# Altium PCB roach2.PcbDoc (part 29 of 39)
Units mil, origin at the board's own origin, x right, y up, seen from the top; angles counter-clockwise.
Board outline 12007.87 x 9606.3 mil, 16 copper layers (L1_TOP, L2_G, L3_S, L4_G, L5_S, L6_P, L7_G, L8_R, L9_R, L10_P, L11_P, L12_S, L13_P, L14_S, L15_G, L16_BOT), stack 81.651 mil thick; 1608 components, 1934 nets, 9335 pads, 6759 vias.
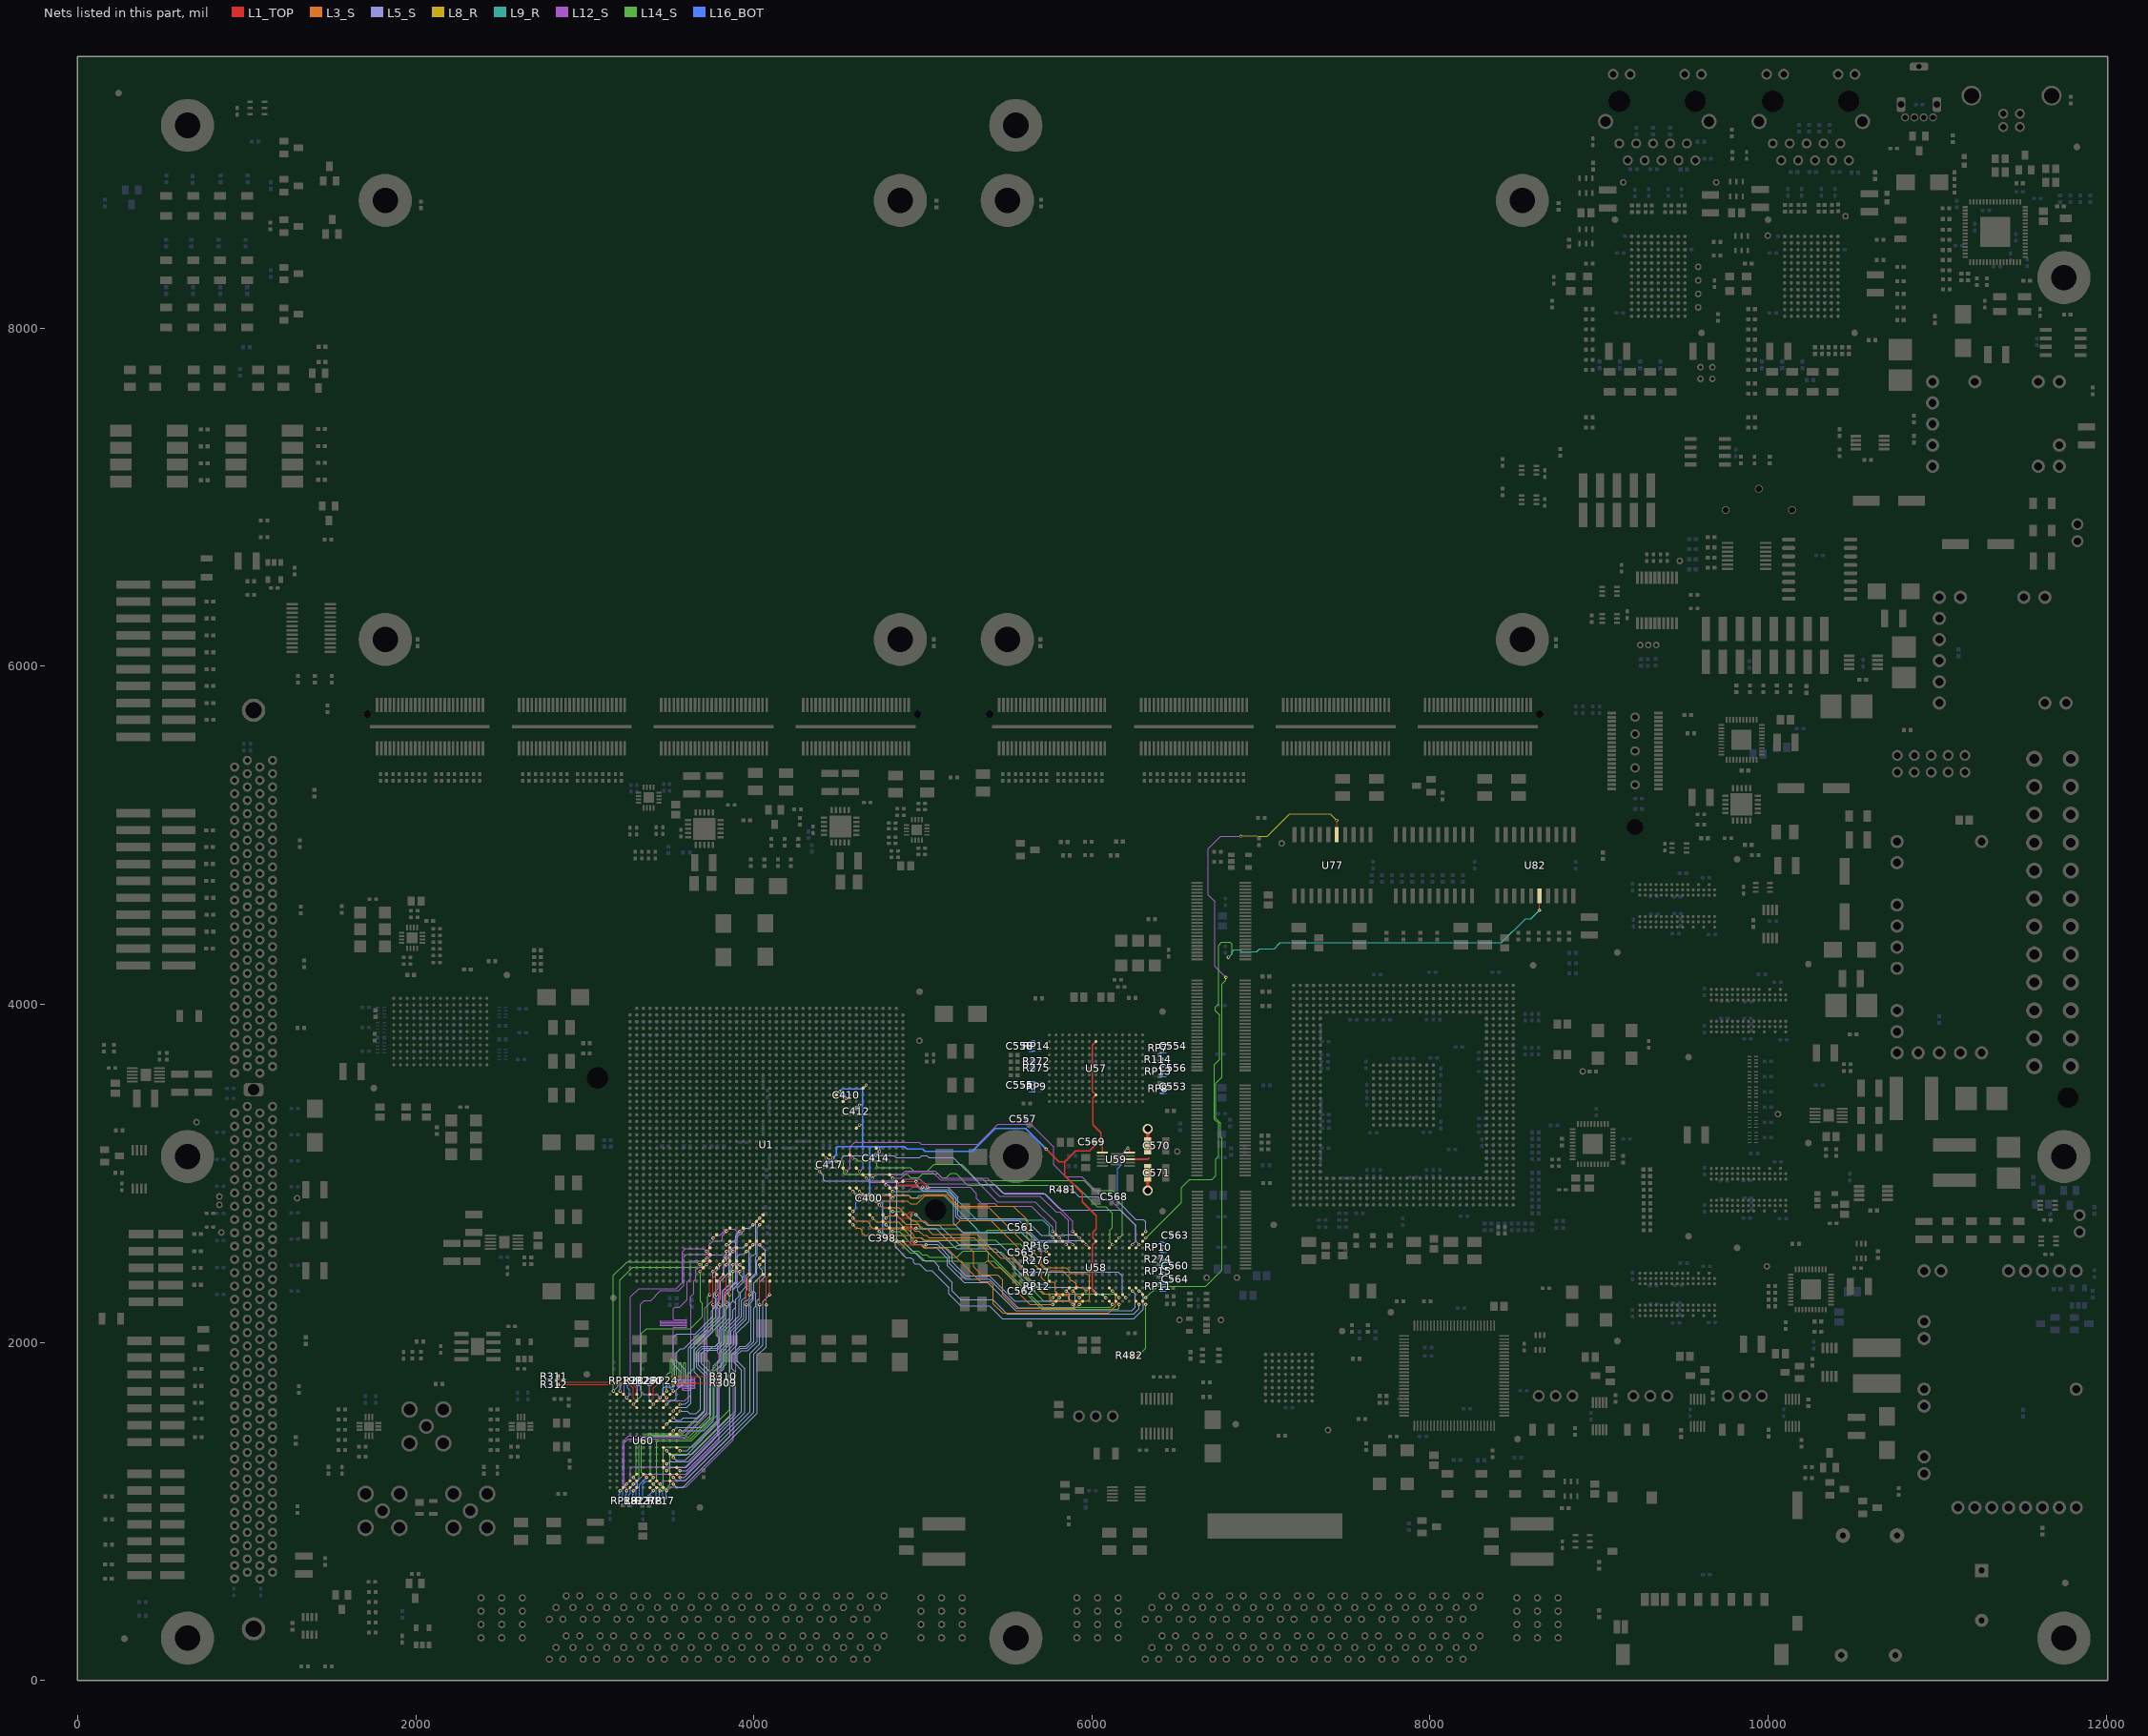
[diagram p43: the nets of this part, all layers, seen from the top]

## Via types
v1: diameter 19.4, hole 10, L1_TOP to L16_BOT, tented both sides, 3354 vias
v2: diameter 19.4, hole 10, L1_TOP to L16_BOT, 1884 vias
v3: diameter 19.4, hole 10, L1_TOP to L16_BOT, tented top, 410 vias
v4: diameter 18.6, hole 10, L1_TOP to L16_BOT, tented both sides, 311 vias
v5: diameter 59.06, hole 39.37, L1_TOP to L16_BOT, 217 vias
v6: diameter 19, hole 10, L1_TOP to L16_BOT, 198 vias
v7: diameter 19.4, hole 10.04, L1_TOP to L16_BOT, 125 vias
v8: diameter 19.4, hole 10, L1_TOP to L16_BOT, tented bottom, 80 vias
v9: diameter 25.98, hole 12.99, L1_TOP to L16_BOT, tented top, 59 vias
v10: diameter 20, hole 10, L1_TOP to L16_BOT, 52 vias
v11: diameter 59.06, hole 39.37, L1_TOP to L16_BOT, tented top, 44 vias
v12: diameter 20, hole 10, L1_TOP to L16_BOT, tented top, 16 vias
v13: diameter 19, hole 10, L1_TOP to L16_BOT, tented top, 5 vias
v14: diameter 50, hole 28, L1_TOP to L16_BOT, 4 vias

## Nets (pads, with @x,y where several pads share a name; then routed paths per layer and width w, separated by ;. In a path a pad name is that pad's centre, name@x,y a point inside that pad or via, vN(x,y) a via of type N, cw(c..) or ccw(c..) an arc to the next point about the centre after c; other vN are vias at no path point) (continued)
QDR1.Q6: U1.F26 U58.E11 | length 1438.1
  L1_TOP w5: U1.F26@4684.14,2990.59 v1(4703.83,2970.9) ; v1(5885.83,2657.48) U58.E11@5905.51,2637.8
  L12_S w3.8: v1(4703.83,2970.9) 4727.6,2994.67 4876.91,2994.67 4896.59,3014.36 5071.01,3014.36 5112.92,2972.45 5325.49,2972.45 5381.89,2972.44 5468.5,2885.83 5712.6,2885.83 5803.15,2795.28 5807.09,2795.28 5885.83,2716.54 v1(5885.83,2657.48)
QDR1.Q7: U1.G26 U58.C10 | length 1402
  L1_TOP w5: U1.G26@4644.77,2990.59 v1(4664.46,2970.9) ; v1(5807.09,2618.11) U58.C10@5826.77,2598.43
  L12_S w3.8: v1(4664.46,2970.9) 4687.86,2947.5 4870.07,2947.5 4889.38,2966.82 4981.66,2966.82 5011.48,2937.01 5334.65,2937.01 5440.94,2830.71 5665.35,2830.71 5787.4,2708.66 5787.4,2637.8 v1(5807.09,2618.11)
QDR1.Q8: U1.D27 U58.B11 | length 1203.6
  L1_TOP w5: U1.D27@4762.88,2951.22 v1(4782.57,2931.53) ; v1(5767.72,2657.48) U58.B11@5787.4,2637.8
  L12_S w3.8: v1(4782.57,2931.53) 4795.98,2931.53 4811.58,2915.93 4828.4,2915.93 4839.92,2927.45 4962.53,2927.45 4985.86,2904.12 5033.12,2904.12 5046.32,2917.32 5279.53,2917.32 5315.84,2881.01 ; 5317.56,2879.67 5317.56,2850.33 5345.06,2822.83 5425.2,2822.83 5440.94,2807.09 5641.73,2807.09 5767.72,2681.1 v1(5767.72,2657.48)
QDR1.Q9: U1.K25 U58.P9 | length 2399
  L1_TOP w5: U1.K25@4526.66,3029.96 v1(4546.35,3010.27) ; U58.P9@6259.84,2559.05 v1(6279.53,2578.74)
  L12_S w3.8: v1(4546.35,3010.27) 4570.12,3034.05 4570.12,3158.62 4593.99,3182.49 4979.99,3182.49 4990.64,3171.84 5325.62,3171.84 5443.78,3290 5638,3290 5774,3154 5774,3050 5843.69,2980.31 5940.94,2980.31 6063.93,2857.33 6063.93,2856.53 6077.94,2842.52 6110.24,2842.52 6259.84,2692.91 6259.84,2598.43 6267.71,2590.55 ; 6268.5,2589.77 6267.71,2590.55 ; v1(6279.53,2578.74) 6267.71,2590.55
QDR1.Q10: U1.L24 U58.N9 | length 2148.9
  L1_TOP w5: U1.L24@4487.29,3069.33 v1(4506.98,3049.64) ; U58.N9@6220.47,2559.05 v1(6240.16,2578.74)
  L5_S w3.8: v1(4506.98,3049.64) 4506.98,3066.95 4522.58,3082.55 4522.58,3094.58 4532.98,3104.98 4819.49,3104.98 4819.86,3104.61 4828.4,3104.61 4839.91,3093.1 4981.16,3093.1 4992.68,3104.62 5025.25,3104.62 5035.38,3094.49 5179.54,3094.49 5339.77,2934.26 5424.01,2934.26 5480.31,2877.95 5724.41,2877.95 5818.9,2783.46 6165.35,2783.46 6259.84,2688.98 6259.84,2598.43 6251.97,2590.55 v1(6240.16,2578.74)
QDR1.Q11: U1.J23 U58.L10 | length 2027
  L1_TOP w5: U1.J23@4566.03,3108.7 v1(4585.72,3089.01) ; U58.L10@6141.73,2598.43 v1(6161.42,2618.11)
  L14_S w3.8: v1(4585.72,3089.01) 4603.03,3089.01 4618.63,3073.41 4717.07,3073.41 4727.6,3062.89 4727.6,3043.18 4736.74,3034.04 4925.94,3034.04 4945.62,3014.36 5026.36,3014.36 5064.99,3052.99 5228.99,3052.99 5309.54,2972.45 5345.66,2972.45 5361.1,2957 5952.45,2957 6011.81,2897.64 6122.05,2897.64 6181.1,2838.58 6181.1,2637.8 v1(6161.42,2618.11)
QDR1.Q12: U1.N23 U58.K9 | length 2157.5
  L1_TOP w5: U1.N23@4408.55,3108.7 v1(4428.24,3089.01) ; U58.K9@6102.36,2559.05 v1(6122.05,2578.74)
  L14_S w3.8: v1(4428.24,3089.01) 4445.54,3089.01 4461.14,3073.41 4520.57,3073.41 4530.75,3063.24 4530.75,3003.81 4539.88,2994.67 4908.81,2994.67 4928.49,2974.99 4975.49,2974.99 4999.26,2998.76 5086.15,2998.76 5086.38,2998.99 5111.31,2974.06 5140.66,2974.06 5165.59,2998.99 5194.99,2998.99 5263.98,2930 5904.65,2930 6031.5,2803.15 6082.68,2803.15 6122.05,2763.78 6122.05,2679.54 6106.45,2663.94 6106.45,2594.34 v1(6122.05,2578.74)
QDR1.Q13: U1.B28 U58.G9 | length 1378.2
  L1_TOP w5: U1.B28@4841.62,2911.85 4861.31,2892.16 4912.49,2892.16 4940.05,2919.72 v2(4999.1,2919.72) ; v1(5964.57,2578.74) U58.G9@5984.25,2559.05
  L5_S w3.8: v2@5000,2921.26 5000.32,2920.94 5017.17,2904.09 5147.09,2904.09 5150.75,2900.43 5196.85,2854.33 5196.85,2744.09 5220.47,2720.47 5566.93,2720.47 5684.89,2602.51 5944.73,2602.51 5964.57,2582.68 v1(5964.57,2578.74)
QDR1.Q14: U1.B27 U58.F10 | length 1324.8
  L1_TOP w5: U1.B27@4841.62,2951.22 4861.31,2931.53 4962.96,2931.53 4975.24,2943.82 5002.57,2943.82 v2(5026.66,2919.72) ; v1(5925.2,2618.11) U58.F10@5944.88,2598.43
  L5_S w3.8: v2@5027.56,2921.26 5027.88,2920.94 5030.83,2917.99 5148.94,2917.99 5208.66,2858.27 5208.66,2751.97 5228.35,2732.28 5602.36,2732.28 5700.71,2633.93 5837.88,2633.93 5841.74,2637.8 5905.51,2637.8 v1(5925.2,2618.11)
QDR1.Q15: U1.A27 U58.E9 | length 1283.4
  L1_TOP w5: U1.A27@4880.99,2951.22 4881.89,2951.22 v2(4959.73,2951.22) ; v1(5885.83,2578.74) U58.E9@5905.51,2559.05
  L5_S w3.8: v2(4959.73,2951.22) 4959.73,2937.03 5000.47,2896.29 5135.2,2896.29 5181.1,2850.39 5181.1,2703.94 5235.47,2649.57 5452.72,2649.57 5622.08,2649.57 5676.94,2594.71 5873.79,2594.71 5885.83,2582.68 v1(5885.83,2578.74)
QDR1.Q16: U1.C26 U58.D9 | length 1380.9
  L1_TOP w5: U1.C26@4802.25,2990.59 v1(4821.94,2970.9) ; v1(5846.46,2578.74) U58.D9@5866.14,2559.05
  L12_S w3.8: v1@4826.55,2976.16 4822.84,2972.44 4872.94,2972.44 4906.69,3006.19 5058.79,3006.19 5104.35,2960.63 5358.27,2960.63 5452.76,2866.14 5692.91,2866.14 5787.4,2771.65 5811.02,2771.65 5862.2,2720.47 5862.2,2594.49 v1(5846.46,2578.74)
QDR1.Q17: U1.C28 U58.B10 | length 1142.4
  L1_TOP w5: U1.C28@4802.25,2911.85 v1(4821.94,2892.16) ; v1(5767.72,2618.11) U58.B10@5787.4,2598.43
  L9_R w3.8: v1@4822.84,2893.7 5149.61,2893.7 5318.9,2724.41 5708.66,2724.41 5748.03,2685.04 5748.03,2645.67 5755.91,2637.8 5755.91,2629.92 v1(5767.72,2618.11)
QDR1.Q18: U1.H28 U58.B2 | length 2127.8
  L1_TOP w5: U1.H28@4605.4,2911.85 v1(4625.09,2892.16) ; v1(5767.72,2263.78) U58.B2@5787.4,2283.46
  L3_S w3.8: v1@4625.99,2893.7 4649.76,2869.93 4914.05,2869.93 4928.99,2854.99 4982.99,2854.99 5005,2877 5144,2877 5214.01,2806.99 5534.99,2806.99 5614.99,2726.99 5614.99,2621.23 5700.79,2535.43 5700.79,2464.57 5724.41,2440.94 5846.46,2440.94 5877.95,2409.45 5964.57,2409.45 5984.25,2389.76 5984.25,2255.91 5972.44,2244.09 5877.95,2244.09 5862.2,2259.84 5862.2,2271.65 5854.33,2279.53 5783.47,2279.53 v1(5767.72,2263.78)
QDR1.Q19: U1.A36 U58.D3 | length 1247.1
  L1_TOP w5: U1.A36@4880.99,2596.89 4881.89,2596.89 v2(4959.73,2596.89) ; v1(5846.46,2303.15) U58.D3@5866.14,2322.83
  L5_S w3.8: v2(4959.73,2596.89) 5092.09,2596.89 5173.23,2515.75 5173.23,2476.38 5255.91,2393.7 5393.7,2393.7 5543.31,2244.09 5858.27,2244.09 5866.14,2251.97 5866.14,2287.4 5850.4,2303.15 v1(5846.46,2303.15)
QDR1.Q20: U1.B36 U58.E3 | length 1376.9
  L1_TOP w5: U1.B36@4841.62,2596.89 4861.31,2577.2 v2(5018.79,2577.2) ; v1(5885.83,2303.15) U58.E3@5905.51,2322.83
  L5_S w3.8: v2@5020,2578.42 5019.68,2578.74 5086.62,2578.74 5106.3,2559.06 5157.48,2507.87 5157.48,2468.5 5251.97,2374.02 5385.81,2374.02 ; 5389.76,2374.02 5385.81,2374.02 ; v1(5885.83,2303.15) 5889.77,2303.15 5901.57,2291.34 5901.57,2218.1 5888.2,2204.72 5562.99,2204.72 5393.7,2374.02 5385.81,2374.02
QDR1.Q21: U1.E30 U58.F2 | length 1536.6
  L1_TOP w5: U1.E30@4723.51,2833.11 v1(4743.2,2813.42) ; v1(5925.2,2263.78) U58.F2@5944.88,2283.46
  L3_S w3.8: v1(4743.2,2813.42) 4758.8,2797.82 4858.18,2797.82 4922,2734 4937.29,2718.71 5012.73,2718.71 5035.44,2696 5195,2696 5221,2722 5400.98,2722 5700.79,2422.2 5700.79,2382.99 5725.66,2358.12 5774.18,2358.12 5783.32,2348.98 5783.32,2303.3 5799.07,2287.55 5901.43,2287.55 v1(5925.2,2263.78)
QDR1.Q22: U1.G29 U58.G3 | length 1649.4
  L1_TOP w5: U1.G29@4644.77,2872.48 v1(4664.46,2852.79) ; v1(5964.57,2303.15) U58.G3@5984.25,2322.83
  L3_S w3.8: v1(4664.46,2852.79) 4680.06,2837.19 4908.79,2837.19 4927.13,2818.86 4964.3,2818.86 5012.44,2867 5136,2867 5206.01,2796.99 5389.99,2796.99 5688.98,2498.01 5688.98,2464.57 5728.35,2425.2 5825.21,2425.2 5870.23,2380.18 5870.23,2375.43 5879.36,2366.29 5884.12,2366.29 5905.51,2344.89 5905.51,2338.58 5921.26,2322.83 5944.88,2322.83 v1(5964.57,2303.15)
QDR1.Q23: U1.J33 U58.K3 | length 2023.3
  L1_TOP w5: U1.J33@4566.03,2715 v1(4585.72,2695.31) ; U58.K3@6102.36,2322.83 v1(6122.05,2303.15)
  L3_S w3.8: v1(4585.72,2695.31) 4604.04,2676.99 4626.1,2676.99 4640.69,2662.41 4640.69,2646.62 4654.77,2632.54 4919.32,2632.54 4944.13,2607.74 4944.13,2590.43 4953.27,2581.29 4983.5,2581.29 5003.19,2561.6 5140.38,2561.6 5340.99,2360.99 5392.99,2360.99 5416.99,2336.99 5416.99,2228.99 5472.76,2173.23 6098.43,2173.23 6141.73,2216.54 6141.73,2283.46 v1(6122.05,2303.15)
QDR1.Q24: U1.D33 U58.L2 | length 1701.2
  L1_TOP w5: U1.D33@4762.88,2715 v1(4782.57,2695.31) ; U58.L2@6141.73,2283.46 v1(6161.42,2263.78)
  L14_S w3.8: v1(4782.57,2695.31) 4798.17,2679.71 4877.27,2679.71 4936.32,2620.66 4966.19,2620.66 4966.53,2620.99 4986.99,2620.99 5001.68,2606.3 5429.13,2606.3 5452.76,2582.68 5574.8,2582.68 5590.55,2566.93 5590.55,2417.32 5720.47,2287.4 6137.8,2287.4 6149.61,2275.59 v1(6161.42,2263.78)
QDR1.Q25: U1.B32 U58.N3 | length 1924.7
  L1_TOP w5: U1.B32@4841.46,2754.53 4841.62,2754.37 4861.14,2734.85 4924.31,2734.85 4932.17,2742.71 v2(4932.17,2754.37) ; U58.N3@6220.47,2322.83 v1(6240.16,2303.15)
  L5_S w3.8: v2(4932.17,2754.37) 4932.17,2602.39 4953.27,2581.29 4990.19,2581.29 5009.88,2561.6 5080.13,2561.6 5098.43,2543.31 5145.67,2496.06 5145.67,2452.76 5244.09,2354.33 5381.89,2354.33 5547.24,2188.98 6236.22,2188.98 6255.91,2208.66 6255.91,2287.4 v1(6240.16,2303.15) ; v2@4933.07,2754.37 v2@4933.07,2755.91
QDR1.Q26: U1.J28 U58.P3 | length 2419.9
  L1_TOP w5: U1.J28@4566.03,2911.85 v1(4585.72,2892.16) ; U58.P3@6259.84,2322.83 v1(6279.53,2303.15)
  L5_S w3.8: v1(4585.72,2892.16) 4601.32,2876.56 4785.99,2876.56 4787.06,2875.49 4797.49,2875.49 4806.34,2866.65 4806.34,2610.11 4815.48,2600.97 4825.51,2600.97 4837.54,2588.95 4837.54,2565.22 4900.21,2502.55 4928.94,2502.55 4944.13,2487.35 4944.13,2472.32 4953.27,2463.18 4979.31,2463.18 5017.29,2425.2 5051.18,2425.2 5153.62,2322.76 5153.62,2287.33 5224.41,2216.54 5393.7,2216.54 5469.19,2141.05 6247.34,2141.05 6303.15,2196.85 6303.15,2283.46 6283.47,2303.15 v1(6279.53,2303.15) ; v1@4586.62,2893.7 v1@4586.94,2893.38
QDR1.Q27: U1.F32 U58.B1 | length 1388.2
  L1_TOP w5: U1.F32@4684.14,2754.37 v1(4703.83,2734.68) ; v1(5767.72,2224.41) U58.B1@5787.4,2244.09
  L3_S w3.8: v1(4703.83,2734.68) 4727.23,2711.28 4855.49,2711.28 4883.35,2683.43 4929.87,2683.43 4953.27,2660.03 4976.45,2660.03 5003.94,2632.54 5022.02,2632.54 5034.36,2620.2 5301.78,2620.2 5388.99,2532.99 5388.99,2480.99 5426.99,2442.99 5460.99,2442.99 5554.99,2348.99 5554.99,2303.28 5633.86,2224.41 v1(5767.72,2224.41)
QDR1.Q28: U1.C34 U58.C2 | length 1250.3
  L1_TOP w5: U1.C34@4802.25,2675.63 v1(4821.94,2655.94) ; v1(5807.09,2263.78) U58.C2@5826.77,2283.46
  L14_S w3.8: v1(4821.94,2655.94) 4860.04,2655.94 4934.69,2581.29 4992.64,2581.29 5012.32,2561.6 5065.54,2561.6 5066.93,2562.99 5192.91,2562.99 5204.72,2574.8 5381.89,2574.8 5421.26,2535.43 5464.55,2535.43 5543.31,2456.68 5543.31,2417.32 5712.6,2248.03 5791.34,2248.03 5795.28,2251.97 v1(5807.09,2263.78)
QDR1.Q29: U1.D32 U58.E1 | length 1413.4
  L1_TOP w5: U1.D32@4762.88,2754.37 v1(4782.57,2734.68) ; v1(5885.83,2224.41) U58.E1@5905.51,2244.09
  L3_S w3.8: v1(4782.57,2734.68) 4798.17,2750.28 4848.2,2750.28 4899.08,2699.4 4973.83,2699.4 4998.04,2675.19 5021.6,2675.19 5058.79,2638 5319.98,2638 5460.99,2496.99 5526.99,2496.99 5610.99,2412.99 5610.99,2385.07 5708.66,2287.4 5744.09,2287.4 5751.97,2279.53 5751.97,2255.91 5759.84,2248.03 5862.2,2248.03 v1(5885.83,2224.41)
QDR1.Q30: U1.J32 U58.F1 | length 1737.8
  L1_TOP w5: U1.J32@4566.03,2754.37 v1(4585.72,2734.68) ; v1(5925.2,2224.41) U58.F1@5944.88,2244.09
  L3_S w3.8: v1(4585.72,2734.68) 4601.41,2718.99 4669.12,2718.99 4688.23,2699.88 4688.23,2688.85 4705.17,2671.91 4862.99,2671.91 4867.08,2667.83 4913.82,2667.83 4944.13,2637.52 4944.13,2629.8 4953.27,2620.66 4993.76,2620.66 5012.28,2602.14 5229.84,2602.14 5300.99,2530.99 5300.99,2446.99 5348.99,2398.99 5440.99,2398.99 5470.99,2368.99 5470.99,2280.99 5551.12,2200.86 5901.65,2200.86 v1(5925.2,2224.41)
QDR1.Q31: U1.A34 U58.J2 | length 1399
  L1_TOP w5: U1.A34@4881.89,2675.63 v2(4959.73,2675.63) ; U58.J2@6062.99,2283.46 v1(6082.68,2263.78)
  L5_S w3.8: v2@4960.63,2677.17 4960.95,2676.85 4963.6,2674.19 5077.78,2674.19 5196.85,2555.12 5429.13,2555.12 5657.55,2326.7 5940.24,2326.7 5944.1,2322.83 5996.06,2322.83 6035.43,2283.46 6062.99,2283.46 v1(6082.68,2263.78)
QDR1.Q32: U1.C35 U58.K1 | length 1563.8
  L1_TOP w5: U1.C35@4802.25,2636.26 v1(4821.94,2616.57) ; U58.K1@6102.36,2244.09 v1(6122.05,2224.41)
  L14_S w3.8: v1(4821.94,2616.57) 4839.25,2616.57 4854.85,2600.97 4876.51,2600.97 4935.56,2541.92 4972.56,2541.92 4995.49,2518.99 5023.53,2518.99 5026.62,2515.91 5038.59,2503.94 5201.83,2503.94 5238.32,2540.43 5377.56,2540.43 5709.32,2208.66 6110.24,2208.66 6122.05,2220.47 v1(6122.05,2224.41)
QDR1.Q33: U1.E34 U58.L1 | length 1701
  L1_TOP w5: U1.E34@4723.51,2675.63 v1(4743.2,2655.94) ; U58.L1@6141.73,2244.09 v1(6161.42,2224.41)
  L14_S w3.8: v1@4744.1,2657.48 4744.42,2657.16 4769.4,2632.17 4789.03,2632.17 4798.17,2623.04 4798.17,2613.82 4819.18,2592.8 4828.4,2592.8 4829.21,2591.99 4863.99,2591.99 4925.99,2529.99 4962.99,2529.99 5012.67,2480.31 5227.58,2480.31 5238.32,2469.57 5367.67,2469.57 5378.41,2480.31 5419.67,2480.31 5703.13,2196.85 6153.54,2196.85 6161.42,2204.72 v1(6161.42,2224.41)
QDR1.Q34: U1.A32 U58.M2 | length 1626.5
  L1_TOP w5: U1.A32@4880.99,2754.37 4905.53,2754.37 4921.73,2770.57 4943.53,2770.57 v2(4959.73,2754.37) ; U58.M2@6181.1,2283.46 v1(6200.79,2263.78)
  L5_S w3.8: v2(4959.73,2754.37) 5003.19,2710.91 5010.06,2710.91 5028.06,2692.91 5098.42,2692.91 5212.6,2578.74 5458.24,2578.74 5619.66,2417.32 6153.54,2417.32 6181.1,2389.76 6181.1,2283.46 v1(6200.79,2263.78)
QDR1.Q35: U1.P25 U58.P1 | length 2587.8
  L1_TOP w5: U1.P25@4369.18,3029.96 v1(4388.87,3010.27) ; U58.P1@6259.84,2244.09 v1(6279.53,2224.41)
  L5_S w3.8: v1(4388.87,3010.27) 4412.64,2986.5 4412.64,2964.44 4421.77,2955.3 4842.18,2955.3 4845.71,2951.78 4845.71,2610.11 4854.85,2600.97 4880.51,2600.97 4998.31,2483.17 5060.14,2483.17 5065.15,2478.15 5094.49,2448.82 5094.49,2433.07 5173.23,2354.33 5173.23,2303.15 5224.41,2251.97 5366.12,2251.97 ; 5370.08,2251.97 5366.12,2251.97 ; v1(6279.53,2224.41) 6279.53,2200.79 6247.73,2168.99 5496.36,2168.99 5413.39,2251.97 5366.12,2251.97
QDR1.RDN: RP16.4 U1.C29 U58.A8 | length 1155.4
  L1_TOP w5: U1.C29@4802.25,2872.48 v1(4821.94,2852.79) ; v1(5728.35,2539.37) U58.A8@5748.03,2519.68
  L9_R w3.8: v1@4822.84,2854.33 4838.51,2870 4916.53,2870 4929.65,2856.88 4966.19,2856.88 4979.31,2870 5122.13,2870 5317.56,2674.56 5317.56,2670.33 5338.32,2649.57 5367.67,2649.57 ; 5367.7,2649.61 5582.68,2649.61 5653.54,2578.74 5688.98,2578.74 v1(5728.35,2539.37)
  L16_BOT w5: RP16.4@5692.68,2543.46 5724.25,2543.46 v1(5728.35,2539.37)
QDR1.WRN: RP12.2 U1.C31 U58.A4 | length 1335.7
  L1_TOP w5: U1.C31@4802.25,2793.74 v1(4821.94,2774.05) ; v1(5728.35,2342.52) U58.A4@5748.03,2362.2
  L14_S w3.8: v1@4823.16,2775.27 4822.84,2775.59 4877.86,2775.59 4928.76,2724.69 4946.79,2724.69 4979.64,2691.85 4979.64,2685.62 4993.35,2671.91 5213.64,2671.91 5235.99,2649.57 5367.67,2649.57 5383.45,2665.35 5602.36,2665.35 5645.67,2622.05 5645.67,2476.38 5708.66,2413.39 5732.28,2413.39 5744.09,2401.57 5744.09,2358.27 5740.16,2354.33 v1(5728.35,2342.52)
  L16_BOT w5: RP12.2@5692.68,2342.83 5728.03,2342.83 v1(5728.35,2342.52)
QDR1_TCK: U58.R2 U77.5 | length 4070.7
  L1_TOP w5: U58.R2@6299.21,2283.46 v1(6318.9,2263.78) ; U77.5@7447.99,5004.09 v2(7447.99,5088.42)
  L8_R w3.8: v2(6880.99,4992.99) 6880.99,4994.99 6882.99,4996.99 6979.24,4996.99 6982.53,4993.71 7037.71,4993.71 7170.99,5126.99 7409.42,5126.99 v2(7447.99,5088.42)
  L12_S w3.8: v2(6792.99,4158.99) 6726.99,4224.99 6726.99,4608.99 6688.99,4646.99 6688.99,4920.99 6760.99,4992.99 v2(6880.99,4992.99)
  L14_S w3.8: v1(6318.9,2263.78) 6388.11,2332.99 6674.99,2332.99 6768.99,2426.99 6768.99,3205.96 6761.19,3213.76 6761.19,3295.61 6733.26,3323.54 6733.26,3534.02 6768.99,3569.75 6768.99,4118.99 6792.99,4142.99 v2(6792.99,4158.99)
QDR1_TDI: R481.2 U58.R11 | length 628.4
  L1_TOP w5: R481.2@5850.64,2903.06 v2@5882.64,2903.06 ; U58.R11@6299.21,2637.8 v1(6318.9,2657.48)
  L5_S w3.8: v2(5884.64,2903.06) 5924.7,2862.99 6034.99,2862.99 6056.99,2840.99 6144.99,2840.99 6258.99,2726.99 6304.99,2726.99 6318.9,2713.09 v1(6318.9,2657.48)
QDR1_TDO: R482.1 U58.R1 | length 378.7
  L1_TOP w5: R482.1@6242.68,1922.99 v2@6274.68,1922.99 ; U58.R1@6299.21,2244.09 v1(6318.9,2224.41)
  L14_S w3.8: v2(6276.68,1922.99) 6318.9,1965.21 v1(6318.9,2224.41)
QDR1_TMS: U58.R10 U82.16 | length 4289.1
  L1_TOP w5: U58.R10@6299.21,2598.43 v1(6318.9,2618.11) ; v3(8647.99,4557.56) U82.16@8647.99,4641.89
  L9_R w3.8: v2@6809.68,4278.99 6827.59,4296.9 6827.59,4309.96 6840.62,4322.99 6872.99,4322.99 6885.59,4310.39 6974.39,4310.39 6992.99,4328.99 7078.99,4328.99 7114.99,4364.99 8422.99,4364.99 8564.99,4506.99 8597.42,4506.99 v3(8647.99,4557.56)
  L14_S w3.8: v1(6318.9,2618.11) 6528.99,2828.21 6528.99,2916.99 6576.99,2964.99 6710.99,2964.99 6733.26,2987.26 6733.26,3085.61 6748.99,3101.34 6748.99,3296.78 6725.46,3320.31 6725.46,3642.69 6756.3,3673.53 6756.3,3937.49 6731.26,3962.53 6731.26,3984.59 6748.99,4002.33 6748.99,4348.05 6767.93,4366.99 6816.99,4366.99 6827.59,4356.39 6827.59,4296.9 6809.68,4278.99 v2(6806.99,4278.99)
QDR01_VREF: C398.2 C400.2 C410.2 C412.2 C414.2 C417.2 C569.2 U1.D35 U1.E22 U1.F29 U1.G13 U1.H16 U1.H19 U1.H25 U1.H29 U1.J31 U1.K15 U1.L14 U1.M23 U57.H2 U57.H10 U58.H2 U58.H10 U59.6 | length 5415.6
  L1_TOP w5: U1.M23@4447.92,3108.7 v1(4467.61,3089.01) ; U1.L14@4487.29,3463.03 4488.51,3464.25 v1(4506.98,3482.72) ; U1.K15@4526.66,3423.66 4527.88,3424.88 v1(4546.35,3443.35) ; U1.J31@4566.03,2793.74 v1(4585.72,2774.05) ; U1.H29@4605.4,2872.48 v1(4625.09,2852.79) ; U1.H25@4605.4,3029.96 v1(4625.09,3010.27) ; U1.H19@4605.4,3266.18 4606.62,3267.4 v1(4625.09,3285.87) ; U1.H16@4605.4,3384.29 4606.62,3385.51 v1(4625.09,3403.98) ; U1.G13@4644.77,3502.4 4645.99,3503.62 v1(4664.46,3522.09) ; U1.F29@4684.14,2872.48 v1(4703.83,2852.79) ; U1.E22@4723.51,3148.07 v1(4743.2,3128.38) ; U1.D35@4762.88,2636.26 v1(4782.57,2616.57) ; 6052,3187.24 6052.99,3188.24
  L1_TOP w8: v2(5728.99,3142.99) 5804.99,3066.99 5838.99,3066.99 ; C569.2@6020,3187.24 6020,3166 5986.99,3132.99 5904.99,3132.99 5838.99,3066.99 ; U58.H2@6023.94,2283.46 6002,2305.4 6002,2576.49 U58.H10@6023.94,2598.43 6004,2618.36 6004,2650 6024.99,2670.99 6024.99,2748.99 5942.99,2830.99 5942.99,2882.99 5838.99,2986.99 5838.99,3066.99 ; 6052,3187.24 6053,3186.24 6062.28,3176.96 U59.6@6062.28,3122.36
  L1_TOP w10: U57.H10@6023.62,3779.53 6002.99,3758.9 6002.99,3485.2 6023.62,3464.57 6004.99,3445.94 6004.99,3288.99 6052.99,3240.99 6052.99,3188.24
  L1_TOP w12: C569.2@6020,3187.24 6052,3187.24
  L16_BOT w5: v1(4585.72,2774.05) 4604.99,2793.33 4604.99,2832.7 v1(4625.09,2852.79) 4646.31,2874.02 4684.04,2874.02 C400.2@4685.04,2874.02 ; v1(4625.09,3010.27) 4646.99,3032.18 4646.99,3156.99
  L16_BOT w8: v1@4468.5,3090.55 4486.99,3109.04 4486.99,3148.99 4494.99,3156.99 4636.99,3156.99 ; v1@4508.19,3483.93 4524.68,3500.42 4642.79,3500.42 ; v1(4625.09,3285.87) 4626.21,3286.99 4642.79,3286.99 ; v1@4625.99,3405.51 4626.51,3404.99 4642.79,3404.99 ; v1(4664.46,3522.09) 4642.79,3500.42 ; v1@4744.1,3129.92 4744.1,3154.1 4746.99,3156.99 ; v2(5728.99,3142.99) 5606.99,3264.99 5426.99,3264.99 5292.37,3130.37 5011.45,3130.37 4998.83,3142.99 4904.99,3142.99 4890.99,3156.99 4746.99,3156.99 ; 4636.99,3156.99 4642.79,3162.79 4642.79,3286.99 ; 4636.99,3156.99 4646.99,3156.99 4684.99,3156.99 4746.99,3156.99 ; 4642.79,3286.99 4642.79,3404.99 ; 4642.79,3404.99 4642.79,3500.42
  L16_BOT w10: C417.2@4448.82,3070.87 4449.8,3071.85 v1@4468.5,3090.55 ; v1@4507.87,3484.25 4508.19,3483.93 4527.56,3464.57 4528.31,3463.82 v1@4547.24,3444.88 ; C412.2@4606.3,3385.83 v1@4625.99,3405.51 ; 4684.99,3156.99 4685.04,3156.94 4685.04,2874.02 4705.05,2854.01 4726.93,2832.12 4750.94,2832.12 4761.9,2821.17 4761.9,2639.68 4763.78,2637.8 v1@4783.47,2618.11 ; C414.2@4724.41,3110.24 v1@4744.1,3129.92